# Altium PCB RFID final.PcbDoc (part 2 of 3)
Units mil, origin at the board's own origin, x right, y up, seen from the top; angles counter-clockwise.
Board outline 3215.77 x 4275.01 mil, 6 copper layers (Top Layer, RF_Ground, Power, Gnd, Routing, Bottom_Gnd), stack 29.392 mil thick; 305 components, 201 nets, 969 pads, 176 vias.
Unrouted connection lines stored in the file: 31.
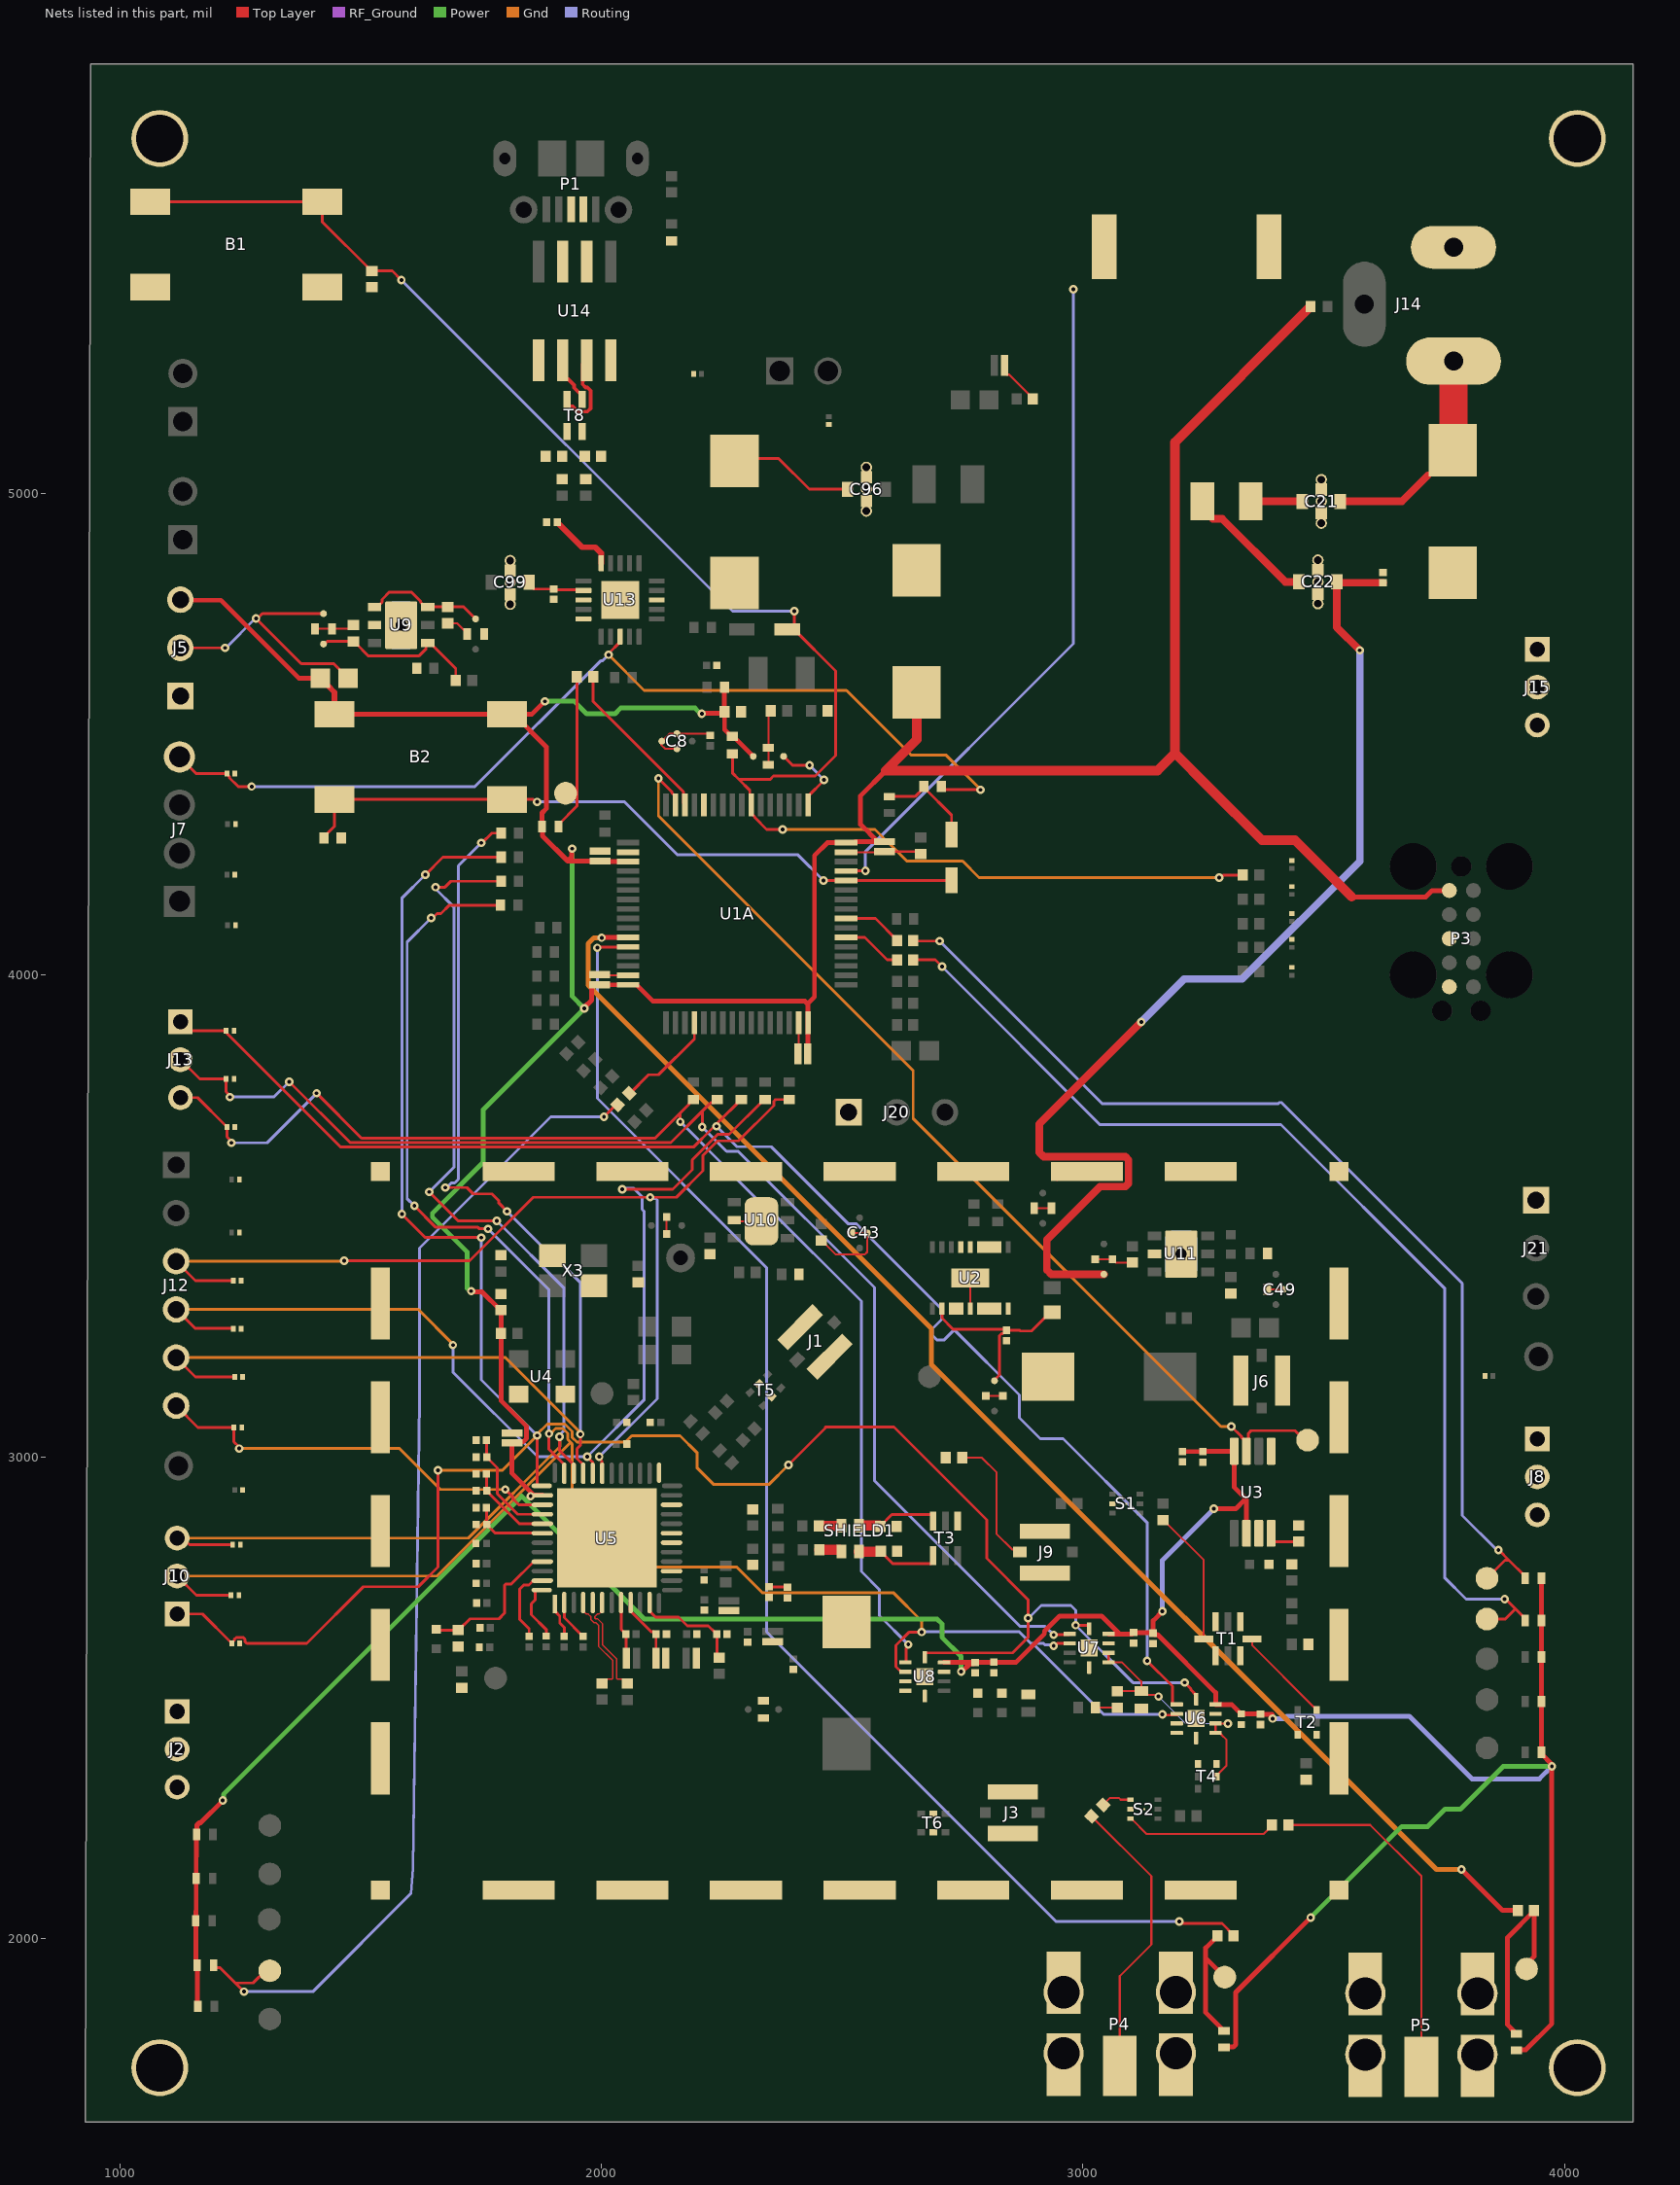
[diagram p6: the nets of this part, all layers, seen from the top]

## Part data
B1 B2: library part TL3301AF160QG, "Tactile Switch SPST-NO Top Actuated Surface Mount", Package=None, Check_prices=https://www.snapeda.com/parts/TL3301AF160QG/E-Switch/view-part/?ref=eda, Digi-Key_Part_Number=EG2526TR-ND, MF=E-Switch, MP=TL3301AF160QG, Purchase-URL=https://pricing.snapeda.com/search/part/TL3301AF160QG/?ref=eda, SnapEDA_Link=https://www.snapeda.com/parts/TL3301AF160QG/E-Switch/view-part/?ref=snap
BZ1: library part PKMCS0909E4000-R1, "Buzzers Transducer, Externally Driven Piezo 1.5V 4kHz 65dB @ 1.5V, 10cm Surface Mount Solder Pads", Package="SMD-2 Murata", Arrow_Electronics-Purchase-URL=https://snapeda.com/shop?store=Arrow+Electronics&id=4970136, Digi-Key_Part_Number=490-9647-1-ND, DigiKey-Purchase-URL=https://snapeda.com/shop?store=DigiKey&id=4970136, MF=Murata, Mouser-Purchase-URL=https://snapeda.com/shop?store=Mouser&id=4970136, MP=PKMCS0909E4000-R1, SnapEDA_Link=https://www.snapeda.com/parts/PKMCS0909E4000-R1/Murata/view-part/4970136/?ref=snap
C1 C3: library part GRM1555C1H1R2WA01D, "SMD Capacitor C0G_EIA_ with Capacitance: 1.2pF Tol. 0.05pF. Rated Voltage: 50Vdc", Package="1005 Taiyo Yuden", Availability=Unavailable, MF="Murata Electronics", MP=GRM1555C1H1R2WA01D, Price=None, SnapEDA_Link=https://www.snapeda.com/parts/GRM1555C1H1R2WA01D/Murata%20Electronics%20North%20America/view-part/1837628/?ref=snap
C2 C8 C16 C39 C41 C43 C45 C47 C49 C91 C104: library part NFM18PS474R0J3D, "Capacitor", Capacitance=470nF, Case Code (Imperial)=0603, Case Code (Metric)=1608, Current=2A, DC Resistance (DCR)=30mR, Insulation Resistance=1GR, Max Operating Temperature=125°C, Max Voltage Rating (DC)=6.3V, Min Operating Temperature=-55°C, Package Quantity=1, Tolerance=20%, Voltage=100V, Case/Package=0603, Current Rating=2A, Depth=0.8mm, Height=0.6mm, Lead Free="Lead Free", Length=1.6mm, Max Current Rating=2A, Mount="Surface Mount", Packaging="Tape and Reel", Radiation Hardening=No, REACH SVHC="No SVHC", Termination=Flat, Voltage Rating=6.3V, Voltage Rating (DC)=6.3V, Width=0.8mm
C4 C5: library part GRM1555C1H150GA01D, "0402 15 pF 50 V Â±2% Tolerance C0G SMT Multilayer Ceramic Capacitor", Package=None, Availability=Unavailable, MP=GRM1555C1H150GA01D, Price=None
C6 C7: library part GJM1555C1H5R6CB01D, "SMD Capacitor C0G(EIA) with Capacitance: 5.6pF Tol. 0.25pF. Rated Voltage: 50Vdc", Package="1005 Taiyo Yuden", Availability=Good, Check_prices=https://www.snapeda.com/parts/GJM1555C1H5R6CB01D/Murata/view-part/4376987/?ref=eda, MF=Murata, MP=GJM1555C1H5R6CB01D, Price=None, Purchase-URL=https://pricing.snapeda.com/search/part/GJM1555C1H5R6CB01D/?ref=eda, SnapEDA_Link=https://www.snapeda.com/parts/GJM1555C1H5R6CB01D/Murata/view-part/4376987/?ref=snap
C9 C10: library part GRM1555C2A4R7CA01D, "Cap Ceramic 4.7pF 100V C0G 0.25pF SMD 0402 125Â°C Paper T/R", Package=None, Availability=Unavailable, MP=GRM1555C2A4R7CA01D, Price=None
C11 C20 C92: library part ECASD41C106M060K00, "10 ÂµF 16 V Aluminum - Polymer Capacitors 2917 (7343 Metric) 60mOhm 1000 Hrs @ 105Â°C", Package="2917 Murata", Check_prices=https://www.snapeda.com/parts/ECASD41C106M060K00/Murata+Electronics+North+America/view-part/?ref=eda, MF="Murata Electronics", MP=ECASD41C106M060K00, SnapEDA_Link=https://www.snapeda.com/parts/ECASD41C106M060K00/Murata+Electronics+North+America/view-part/?ref=snap
C12 C14 C53 C57 C58 C60 C62 C64 C68 C70 C76 C95: library part GRM0335C1H121JA01D, "0201 120 pF 50 V Â±5% Tolerance C0G SMT Multilayer Ceramic Capacitor", Package="0603 Taiyo Yuden", Availability="In Stock", Check_prices=https://www.snapeda.com/parts/GRM0335C1H121JA01D/Murata%20Electronics%20North%20America/view-part/1767262/?ref=eda, MF="Murata Electronics", MP=GRM0335C1H121JA01D, Price=None, Purchase-URL=https://pricing.snapeda.com/search/part/GRM0335C1H121JA01D/?ref=eda, SnapEDA_Link=https://www.snapeda.com/parts/GRM0335C1H121JA01D/Murata%20Electronics%20North%20America/view-part/1767262/?ref=snap
C13 C15 C18 C19 C24 C26 C30 C33 C52 C59 C61 C63 C66 C71 C73 C75 C78 C84 C85 C87 C89 C90 C105: library part GRM033R60J225ME15D, "SMD Capacitor X5R(EIA) with Capacitance: 2.2uF Tol. 20%. Rated Voltage: 6.3Vdc", Package=None, Availability=Unavailable, MP=GRM033R60J225ME15D, Price=None
C17: library part GRM155R71H222KA01D, "SMD capacitor X7R(EIA) with capacitance 2200pF Tol.10%. Rated voltage 50Vdc 125C", Package="1005 Taiyo Yuden", Availability=Good, MF=Murata, MP=GRM155R71H222KA01D, Price=None, Purchase-URL=https://pricing.snapeda.com/search/part/GRM155R71H222KA01D/?ref=eda, SnapEDA_Link=https://www.snapeda.com/parts/GRM155R71H222KA01D/Murata%20Electronics%20North%20America/view-part/326477/?ref=snap
C21 C22 C96 C99: library part NFM21PC105B1A3D, "SMD Capacitor with Capacitance: 1.0uF Tol. 20%. Rated Voltage: 10Vdc", Package=NONSTANDARD, Availability=Unavailable, MF=Murata, MP=NFM21PC105B1A3D, Price=None, SnapEDA_Link=https://www.snapeda.com/parts/NFM21PC105B1A3D/Murata/view-part/4380627/?ref=snap
C23 C106: library part ECASD41C685M070K00, "6.8 µF 16 V Aluminum - Polymer Capacitors 2917 (7343 Metric) 70mOhm 1000 Hrs @ 105°C", Package="2917 Murata", Check_prices=https://www.snapeda.com/parts/ECASD41C685M070K00/Murata/view-part/?ref=eda, MF=Murata, MP=ECASD41C685M070K00, SnapEDA_Link=https://www.snapeda.com/parts/ECASD41C685M070K00/Murata/view-part/?ref=snap
C25 C50: library part GRM155R71C104KA88D, "SMD Capacitor X7R_EIA_ with Capacitance: 0.10uF Tol. 10%. Rated Voltage: 16Vdc", Package="1005 Taiyo Yuden", MF=Murata, MP=GRM155R71C104KA88D, SnapEDA_Link=https://www.snapeda.com/parts/GRM155R71C104KA88D/Murata%20Electronics%20North%20America/view-part/4750/?ref=snap
C27 C28 C29 C31 C67 C69 C77 C83 C86 C88 C98: library part LLL153C80J104ME01E, "SMD Capacitor X6S(EIA) with Capacitance: 0.10uF Tol. 20%. Rated Voltage: 6.3Vdc", Package="0510 Murata", Availability=Good, MF=Murata, MP=LLL153C80J104ME01E, Price=None, Purchase-URL=https://pricing.snapeda.com/search/part/LLL153C80J104ME01E/?ref=eda, SnapEDA_Link=https://www.snapeda.com/parts/LLL153C80J104ME01E/Murata/view-part/4376162/?ref=snap
C32 C35 C36 C54 C65 C93 C94 C107 C108 C109 C112: library part GRM1555C1H820GA01J, "CAP CER 82PF 50V C0G/NP0 0402", Package=None, Availability=Unavailable, MP=GRM1555C1H820GA01J, Price=None
C34 C72 C74: library part GRM0335C1H300GA01D, "SMD Capacitor C0G(EIA) with Capacitance: 30pF Tol. 2%. Rated Voltage: 50Vdc", Package=None, Availability=Unavailable, MP=GRM0335C1H300GA01D, Price=None
C37: library part GRM1555C1H3R6BA01D, "SMD Capacitor C0G(EIA) with Capacitance: 3.6pF Tol. 0.1pF. Rated Voltage: 50Vdc", Package="1005 Taiyo Yuden", Availability=Warning, MF="Murata Electronics", MP=GRM1555C1H3R6BA01D, Price=None, Purchase-URL=https://pricing.snapeda.com/search/part/GRM1555C1H3R6BA01D/?ref=eda, SnapEDA_Link=https://www.snapeda.com/parts/GRM1555C1H3R6BA01D/Murata%20Electronics%20North%20America/view-part/1837607/?ref=snap
C38 C40 C42 C44 C46 C48: library part GRM155R60J225ME95D, "CAPACITOR, MLCC, X5R, 2.2UF, 6.3V, 0402", Package=None, Availability=Unavailable, MP=GRM155R60J225ME95D, Price=None
C51: library part GRM155R6YA224KE01D, "CAP CER 0.22UF 35V X5R 0402", Package=None, Availability=Unavailable, MP=GRM155R6YA224KE01D, Price=None
C55: library part GRM1557U1A392JA01D, "0402 10 V 3900 pF ±5% Tolerance U2J Monolithic Ceramic Chip Capacitor", Package="1005 Taiyo Yuden", Check_prices=https://www.snapeda.com/parts/GRM1557U1A392JA01D/Murata+Electronics+North+America/view-part/?ref=eda, MF=Murata, MP=GRM1557U1A392JA01D, SnapEDA_Link=https://www.snapeda.com/parts/GRM1557U1A392JA01D/Murata+Electronics+North+America/view-part/?ref=snap
C56: library part GRM1555C1H151FA01D, "Cap Ceramic 150pF 50V C0G 1% SMD 0402 125Â°C Paper T/R", Package=None, Availability=Unavailable, MP=GRM1555C1H151FA01D, Price=None
C79 C80 C81 C82: library part GRM033R71A103KA01D, "SMD Capacitor X7R(EIA) with Capacitance: 10000pF Tol. 10%. Rated Voltage: 10Vdc", Package="0603 Taiyo Yuden", Availability=Unavailable, Check_prices=https://www.snapeda.com/parts/GRM033R71A103KA01D/Murata/view-part/4379446/?ref=eda, MF=Murata, MP=GRM033R71A103KA01D, Price=None, SnapEDA_Link=https://www.snapeda.com/parts/GRM033R71A103KA01D/Murata/view-part/4379446/?ref=snap
C97: library part GRM188R61A475KE15D, "SMD Capacitor X5R(EIA) with Capacitance: 4.7uF Tol. 10%. Rated Voltage: 10Vdc", Package="1608 Murata", Availability=Bad, MF=Murata, MP=GRM188R61A475KE15D, Price=None, SnapEDA_Link=https://www.snapeda.com/parts/GRM188R61A475KE15D/Murata%20Electronics%20North%20America/view-part/523427/?ref=snap
C100: library part GRM1555C1H4R0CA01D, "Cap Ceramic 4pF 50V C0G 0.25pF SMD 0402 125Â°C Paper T/R", Package=None, Availability=Unavailable, MP=GRM1555C1H4R0CA01D, Price=None
C101 C102: library part GRM1555C1H470FA01D, "CAP, MLCC, C0G, 47PF, 50V, 0402", Package=None, Availability=Unavailable, MP=GRM1555C1H470FA01D, Price=None
C103: library part GRM033C80J104KE15D, "SMD capacitor X6S(EIA) with capacitance 0.10uF Tol.10%. Rated voltage 6.3Vdc 105C", Package="0603 Taiyo Yuden", Availability="In Stock", Check_prices=https://www.snapeda.com/parts/GRM033C80J104KE15D/Murata+Electronics+North+America/view-part/?ref=eda, MF="Murata Electronics", MP=GRM033C80J104KE15D, Price=None, Purchase-URL=https://pricing.snapeda.com/search/part/GRM033C80J104KE15D/?ref=eda, SnapEDA_Link=https://www.snapeda.com/parts/GRM033C80J104KE15D/Murata+Electronics+North+America/view-part/?ref=snap
C110 C111: library part GJM1555C1H110GB01D, "SMD Capacitor C0G(EIA) with Capacitance: 11pF Tol. 2%. Rated Voltage: 50Vdc", Package="1005 Taiyo Yuden", Digi-Key_Part_Number=490-6072-1-ND, MF=Murata, MP=GJM1555C1H110GB01D, Purchase-URL=https://pricing.snapeda.com/search/part/GJM1555C1H110GB01D/?ref=eda, SnapEDA_Link=https://www.snapeda.com/parts/GJM1555C1H110GB01D/Murata/view-part/4385613/?ref=snap
D1 D2 D3 D4 D5 D6 D7 D8 D11 D12 D13 D16 D17: library part LNJ947W8CRA, "Blue 472nm LED Indication - Discrete 2.9V 0402 (1005 Metric)", Package="0402 Panasonic", Check_prices=https://www.snapeda.com/parts/LNJ947W8CRA/Panasonic+Electronic+Components/view-part/?ref=eda, MF="Panasonic Electronic", MP=LNJ947W8CRA, SnapEDA_Link=https://www.snapeda.com/parts/LNJ947W8CRA/Panasonic+Electronic+Components/view-part/?ref=snap
D9 D10: "Diode Schottky 10 V 3A (DC) Surface Mount SOD-323", Package="SOD-323 STMicroelectronics", Availability="In Stock", Check_prices=https://www.snapeda.com/parts/BAT60JFILM/STMicroelectronics/view-part/?ref=eda, MF=STMicroelectronics, MP=BAT60JFILM, Price=None, Purchase-URL=https://pricing.snapeda.com/search?q=BAT60JFILM&ref=eda, SnapEDA_Link=https://www.snapeda.com/parts/BAT60JFILM/STMicroelectronics/view-part/?ref=snap
D15: library part LNJ247W82RA, "Red 630nm LED Indication - Discrete 1.95V 0402 (1005 Metric)", Package="0402 Panasonic", Availability="In Stock", Check_prices=https://www.snapeda.com/parts/LNJ247W82RA/Panasonic+Electronic+Components/view-part/?ref=eda, MF="Panasonic Electronic", MP=LNJ247W82RA, Price=None, Purchase-URL=https://pricing.snapeda.com/search?q=LNJ247W82RA&ref=eda, SnapEDA_Link=https://www.snapeda.com/parts/LNJ247W82RA/Panasonic+Electronic+Components/view-part/?ref=snap
D20 D21 D22 D23 D24 D25 D26 D27 D28 D29 D30 D31 D32 D33 D34 D35 D36 D37 D38 D45 D47 D48 D49 D50 D52: library part ESDAXLC6-1BU2, "17V Clamp 1A (8/20Âµs) Ipp Tvs Diode Surface Mount ST0201", Package="0201 STMicroelectronics", Check_prices=https://www.snapeda.com/parts/ESDAXLC6-1BU2/STMicroelectronics/view-part/?ref=eda, MF=STMicroelectronics, MP=ESDAXLC6-1BU2, SnapEDA_Link=https://www.snapeda.com/parts/ESDAXLC6-1BU2/STMicroelectronics/view-part/?ref=snap
FB1: library part BLM15PX331SN1D, "330 Ohms @ 100MHz 1 Power Line Ferrite Bead 0402 (1005 Metric) 1.2A 150mOhm", Package="1005 Taiyo Yuden", Availability=Good, MF="Murata Electronics", MP=BLM15PX331SN1D, Price=None, Purchase-URL=https://pricing.snapeda.com/search/part/BLM15PX331SN1D/?ref=eda, SnapEDA_Link=https://www.snapeda.com/parts/BLM15PX331SN1D/Murata/view-part/2723257/?ref=snap
FB2 FB7: library part NFZ32BW310HN11L, "31 Ohms @ 1MHz 1 Ferrite Bead 2-SMD, Flat Lead 1.2A 186mOhm", Package="SMD-2 Murata", Availability=Warning, MF=Murata, MP=NFZ32BW310HN11L, Price=None, Purchase-URL=https://pricing.snapeda.com/search/part/NFZ32BW310HN11L/?ref=eda, SnapEDA_Link=https://www.snapeda.com/parts/NFZ32BW310HN11L/Murata/view-part/2726849/?ref=snap
FB3 FB4 FB5: library part BLM15HG102SN1D, "1 kOhms @ 100MHz 1 Signal Line Ferrite Bead 0402 _1005 Metric_ 250mA 1.1Ohm", Package="1005 Taiyo Yuden", Digi-Key_Part_Number=490-3999-1-ND, Digi-Key_Purchase_URL=https://www.digikey.com/product-detail/en/murata-electronics/BLM15HG102SN1D/490-3999-1-ND/1016259?utm_source=snapeda&utm_medium=aggregator&utm_campaign=symbol, MF=Murata, MP=BLM15HG102SN1D, SnapEDA_Link=https://www.snapeda.com/parts/BLM15HG102SN1D/Murata/view-part/270056/?ref=snap
J1 J3 J6 J9: library part MS-156HF(01), "Coaxial Switch - 4mm Plug Dia Connector Receptacle, Female Socket 50Ohm Surface Mount Solder", Package=None, Availability=Unavailable, MF="Hirose Electric", MP=MS-156HF(01), Price=None, SnapEDA_Link=https://www.snapeda.com/parts/MS-156HF(01)/Hirose%20Electric%20Co%20Ltd/view-part/1243878/?ref=snap
J2 J8 J10 J13 J15: library part CMP-05379-000003-1, "CONN HEADER VERT 3POS 2MM", Current Rating=2A, Manufacturer=3M, Temperature="-55°C to +125°C", Temperature Range High=+125°C, Temperature Range Low=-55°C, Automotive=No, Category=Conn, ComponentLink2Description=Datasheet, ComponentLink2URL=http://multimedia.3m.com/mws/media/1400506O/3m-pin-strip-header-951-series-78-5100-2653-3.pdf, Conn Gender=Male, Conn Orientation=Straight, Contact Material=Gold,Nickel, Device Class L1=Connectors, Device Class L2="Headers and Wire Housings", Device Class L3=unset, Digikey Description="CONN HEADER VERT 3POS 2MM", Height=6.3mm, Lead Free=Yes, Manufacturer Part Number=951103-8622-AR, Mouser Description="Header; PinStrip; CopperAlloy; HighTempThermoplastic; 3Cnts; 1A; RtAngle; 951Series", Number Of Contacts=3, Number Of Rows=1, Octopart=https://octopart.com/951103-8622-ar-3m-14400669, Package=951103-8622-AR, Pitch=2mm, RoHS=TRUE
J4 J11: "Connector Header Through Hole 1 position", Package=None, Availability="In Stock", Check_prices=https://www.snapeda.com/parts/MTSW-101-22-T-S-400/Samtec/view-part/?ref=eda, MF=Samtec, MP=MTSW-101-22-T-S-400, Price=None, Purchase-URL=https://pricing.snapeda.com/search/part/MTSW-101-22-T-S-400/?ref=eda, SnapEDA_Link=https://www.snapeda.com/parts/MTSW-101-22-T-S-400/Samtec/view-part/?ref=snap
J5 J20 J21: "Header; Conn; Interconnect System; PCB Plug; 3 Cont; Thru-Hole; Breakaway; Straight; 3A", Package=None, Availability=Unavailable, Centerline_Pitch="2.54 mm[.1 in]", MF="TE Connectivity", MP=5-146280-3, Number_of_Positions=3, Price=None, Product_Type=Connector, SnapEDA_Link=https://www.snapeda.com/parts/5-146280-3/TE%20Connectivity%20AMP%20Connectors/view-part/2778485/?ref=snap, TE_purchase_URL=https://www.te.com/usa-en/product-5-146280-3.html?te_bu=Cor&te_type=disp&te_campaign=seda_glo_cor-seda-global-disp-prtnr-fy19-seda-model-bom-cta_sma-317_1&elqCampaignId=32493
J7: "Headers & Wire Housings 10129378-904005BLF-HEADER SR VT TH 1*4", Package=None, Availability="In Stock", Check_prices=https://www.snapeda.com/parts/10129378-904005BLF/Amphenol/view-part/?ref=eda, MF=Amphenol, MP=10129378-904005BLF, Price=None, Purchase-URL=https://pricing.snapeda.com/search/part/10129378-904005BLF/?ref=eda, SnapEDA_Link=https://www.snapeda.com/parts/10129378-904005BLF/Amphenol/view-part/?ref=snap
J12: Package=None, Availability=Unavailable, MP=2267062-6, Price=None
J14: "2.0 x 6.5 mm, 2.5 A, Horizontal, Through Hole, Dc Power Jack Connector", Package=None, Availability="In Stock", Check_prices=https://www.snapeda.com/parts/PJ-002A/CUI+Devices/view-part/?ref=eda, CUI_purchase_URL=https://www.cuidevices.com/product/interconnect/connectors/dc-power-connectors/jacks/pj-002a?utm_source=snapeda.com&utm_medium=referral&utm_campaign=snapedaBOM, MF="CUI Devices", MP=PJ-002A, Price=None, Purchase-URL=https://pricing.snapeda.com/search/part/PJ-002A/?ref=eda, SnapEDA_Link=https://www.snapeda.com/parts/PJ-002A/CUI+Devices/view-part/?ref=snap
J30 J31: "Header; Breakaway; 0.100 in.; PC Board; Single; 2; 0.025 in.; 0.12 in.; 3 A", Package=None, Availability=Unavailable, Centerline_Pitch="2.54 mm[.1 in]", EU_RoHS_Compliance=Compliant, MF="TE Connectivity", MP=5-146281-2, Number_of_Positions=2, Price=None, Product_Type=Connector, SnapEDA_Link=https://www.snapeda.com/parts/5-146281-2/TE%20Connectivity%20AMP%20Connectors/view-part/457165/?ref=snap
L1 L2 L3 L4: library part LQW15AN30NG00D, "Inductor with Inductance: 30nH Tol. +/-2%, Package: 0402 (1005)", Package="1005 Murata", Digi-Key_Part_Number=490-6802-1-ND, DigiKey-Purchase-URL=https://snapeda.com/shop?store=DigiKey&id=1502539, MF=Murata, MP=LQW15AN30NG00D, SnapEDA_Link=https://www.snapeda.com/parts/LQW15AN30NG00D/Murata%20Electronics%20North%20America/view-part/1502539/?ref=snap
L10 L15: library part LQW15AN3N6C10D, "FIXED IND 3.6NH 900MA 40 MOHM", Package=None, Availability=Unavailable, MP=LQW15AN3N6C10D, Price=None
L11: library part LQW15AN6N8G00D, "Inductor with Inductance: 6.8nH Tol. +/-2%, Package: 0402 (1005)", Package="1006 Murata", Arrow_Electronics-Purchase-URL=https://snapeda.com/shop?store=Arrow+Electronics&id=555756, Availability=Good, DigiKey-Purchase-URL=https://snapeda.com/shop?store=DigiKey&id=555756, MF=Murata, Mouser-Purchase-URL=https://snapeda.com/shop?store=Mouser&id=555756, MP=LQW15AN6N8G00D, Price=None, SnapEDA_Link=https://www.snapeda.com/parts/LQW15AN6N8G00D/Murata%20Electronics%20North%20America/view-part/555756/?ref=snap
L12: library part LQW15AN5N6C10D, "Ind RF Chip Wirewound 5.6nH 0.2nH 100MHz 30Q-Factor 800mA 0402 Paper T/R", Package=None, Availability=Unavailable, MP=LQW15AN5N6C10D, Price=None
P1: library part 1050170001, "USB - micro B USB 2.0 Receptacle Connector 5 Position Surface Mount, Right Angle; Through Hole", Package=None, Check_prices=https://www.snapeda.com/parts/1050170001/Molex/view-part/?ref=eda, MF=Molex, MP=1050170001, SnapEDA_Link=https://www.snapeda.com/parts/1050170001/Molex/view-part/?ref=snap
P2: "2.54mm Pitch SL Header, Single Row, Right-Angle, LCP, Shrouded, Through Hole, Matte Tin (Sn) Plating, 2 Circuits", Package=None, Availability=Unavailable, MP=1719740002, Price=None
P3: library part 8.06.04_J-LINK_NEEDLE_ADAPTER, "J-LINK 10-PIN NEEDLE ADAPTER", Package=None, Availability="No availability data", Check_prices=https://www.snapeda.com/parts/8.06.04%20J-LINK%20NEEDLE%20ADAPTER/Segger%20Microcontroller%20Systems/view-part/2780259/?ref=eda, MF="Segger Microcontroller", MP="8.06.04 J-LINK NEEDLE ADAPTER", Price=None, SnapEDA_Link=https://www.snapeda.com/parts/8.06.04%20J-LINK%20NEEDLE%20ADAPTER/Segger%20Microcontroller%20Systems/view-part/2780259/?ref=snap
P4 P5: "SMB Connector Jack, Male Pin 50Ohm Board Edge, End Launch Solder", Package=None, Availability=Unavailable, MP=903-723J-51S, Price=None
R1 R2 R3 R54 R55: library part RC0603JR-070RL, "Thick film general purpose", Package=None, Availability=Unavailable, MP=RC0603JR-070RL, Price=None
R4 R5 R14 R15 R17 R18 R19 R42 R46 R50 R51 R52 R53 R64 R65 R66 R81 R82 R83: library part RC0402JR-07220RL, "220 Ohms ±5% 0.063W, 1/16W Chip Resistor 0402 (1005 Metric) Moisture Resistant Thick Film", Package="1005 Panasonic Electronic Components", Check_prices=https://www.snapeda.com/parts/RC0402JR-07220RL/Yageo/view-part/?ref=eda, MF=Yageo, MP=RC0402JR-07220RL, SnapEDA_Link=https://www.snapeda.com/parts/RC0402JR-07220RL/Yageo/view-part/?ref=snap
R6 R7 R8 R9 R10 R11 R12 R13 R20 R34 R36 R37 R38 R39 R40 R43 R56 R57 R58 R89 R90 R91 R92 R93: library part RC0402JR-070RL, Package=None, Availability=Unavailable, MF="{'manufacturer': u'YAGEO'}", MP=RC0402JR-070RL, Price=None
R16 R27 R29 R31 R61: library part RC0402FR-0710KL, "10 kOhms Â±1% 0.063W, 1/16W Chip Resistor 0402 (1005 Metric) Moisture Resistant Thick Film", Package="0402 Yageo", Availability="In Stock", Check_prices=https://www.snapeda.com/parts/RC0402FR-0710KL/Yageo/view-part/?ref=eda, MF=Yageo, MP=RC0402FR-0710KL, Price=None, Purchase-URL=https://pricing.snapeda.com/search?q=RC0402FR-0710KL&ref=eda, SnapEDA_Link=https://www.snapeda.com/parts/RC0402FR-0710KL/Yageo/view-part/?ref=snap
R21: library part RC0402FR-07100RL, "100 Ohms Â±1% 0.063W, 1/16W Chip Resistor 0402 (1005 Metric) Moisture Resistant Thick Film", Package="0402 Yageo", Availability="In Stock", Check_prices=https://www.snapeda.com/parts/RC0402FR-07100RL/Yageo/view-part/?ref=eda, MF=Yageo, MP=RC0402FR-07100RL, Price=None, Purchase-URL=https://pricing.snapeda.com/search/part/RC0402FR-07100RL/?ref=eda, SnapEDA_Link=https://www.snapeda.com/parts/RC0402FR-07100RL/Yageo/view-part/?ref=snap
R22: library part RC0402FR-0751R1L, "Res Thick Film 0402 51.1 Ohm 1% 1/16W ?100ppm/C Molded SMD SMD Paper T/R", Package=None, Availability=Unavailable, MF="{'manufacturer': u'YAGEO'}", MP=RC0402FR-0751R1L, Price=None
R23: library part ERJ2RKF52R3X, Package=None, Availability=Unavailable, MP=ERJ2RKF52R3X, Price=None
R24: library part RC0402FR-07249RL, "Res Thick Film 0402 249 Ohm 1% 1/16W ?100ppm/C Molded SMD SMD Paper T/R", Package=None, Availability=Unavailable, MP=RC0402FR-07249RL, Price=None
R25 R45: library part RC0402FR-0762RL, "RESISTOR, 0402 0.063W 1% 62R; Resistance:62ohm; Resistance Tolerance:Â± 1%; Power Rating:63mW; Voltage Rating:50V; Temperature Coefficient:Â± 100ppm/Â°C; Resistor Element Material:Thick Film; Resistor Case Style:0402; Resistor Mounting:SMD; SVHC:No SVHC (19-Dec-2011); External Depth:0.35mm; External Length / Height:1mm; External Width:0.5mm; No. of Pins:2; Operating Temperature Range:-55Â°C to +155Â°C; Overload Voltage:100V; Package / Case:0402; Series:RC32H; Temperature Coeff. +:100ppm/Â°C; Temperature Coeff. -:100ppm/Â°C", Package=None, Availability=Unavailable, MP=RC0402FR-0762RL, Price=None
R26 R35: library part ERJ2RKF75R0X, Package=None, Availability=Unavailable, MP=ERJ2RKF75R0X, Price=None
R28: library part RC0402FR-0735K7L, "RES SMD 35.7K OHM 1% 1/16W 0402", Package=None, Availability=Unavailable, MP=RC0402FR-0735K7L, Price=None
R30: library part ERJ2RKF4222X, Package=None, Availability=Unavailable, MP=ERJ2RKF4222X, Price=None
R32: library part RCG0402100KFKED, "Res Thick Film 0402 100K Ohm 1% 1/16W Â±100ppm/Â°C Molded SMD", Package=None, Availability=Unavailable, MP=RCG0402100KFKED, Price=None
R33: library part ERJ-2GEJ153X, "15 kOhms ±5% 0.1W, 1/10W Chip Resistor 0402 (1005 Metric) Automotive AEC-Q200 Thick Film", Package="1020-2 Panasonic", Check_prices=https://www.snapeda.com/parts/ERJ-2GEJ153X/Panasonic+Electronic+Components/view-part/?ref=eda, MF="Panasonic Electronic", MP=ERJ-2GEJ153X, SnapEDA_Link=https://www.snapeda.com/parts/ERJ-2GEJ153X/Panasonic+Electronic+Components/view-part/?ref=snap
R41 R47: library part RC0402FR-0727RL, "Surface Mount Thick Film Resistor, RC Series, 27 ohm, 63 mW, - 1%, 50 V, 0402 [1005 Metric]", Package="1005 Panasonic Electronic Components", Digi-Key_Part_Number=YAG3086CT-ND, Digi-Key_Purchase_URL=https://www.digikey.com/product-detail/en/yageo/RC0402FR-0727RL/YAG3086CT-ND/5281951?utm_source=snapeda&utm_medium=aggregator&utm_campaign=symbol, MF=Yageo, MP=RC0402FR-0727RL, SnapEDA_Link=https://www.snapeda.com/parts/RC0402FR-0727RL/Yageo/view-part/938293/?ref=snap
R44: library part RC0402FR-0731K6L, "Thick film general purpose", Package=None, Availability=Unavailable, MP=RC0402FR-0731K6L, Price=None
R86: library part RC0402JR-0720RL, "20 Ohms ±5% 0.063W, 1/16W Chip Resistor 0402 (1005 Metric) Moisture Resistant Thick Film", Package="1005 Panasonic Electronic Components", Check_prices=https://www.snapeda.com/parts/RC0402JR-0720RL/Yageo/view-part/?ref=eda, MF=Yageo, MP=RC0402JR-0720RL, SnapEDA_Link=https://www.snapeda.com/parts/RC0402JR-0720RL/Yageo/view-part/?ref=snap
S1: "RF Switch IC WiMax, WLAN SPDT 6GHz 50Ohm 6-DFN (1.5x1.5)", Package="XFDFN-6 Skyworks Solutions", Availability=Warning, MF="Skyworks Solutions", MP=SKY13431-374LF, Price=None, Purchase-URL=https://pricing.snapeda.com/search/part/SKY13431-374LF/?ref=eda, SnapEDA_Link=https://www.snapeda.com/parts/SKY13431-374LF/Skyworks%20Solutions%20Inc./view-part/1233094/?ref=snap
S2: library part SKY13431-374LF, "RF Switch IC WiMax, WLAN SPDT 6GHz 50Ohm 6-DFN (1.5x1.5)", Package="XFDFN-6 Skyworks Solutions", Availability=Warning, MF="Skyworks Solutions", MP=SKY13431-374LF, Price=None, Purchase-URL=https://pricing.snapeda.com/search/part/SKY13431-374LF/?ref=eda, SnapEDA_Link=https://www.snapeda.com/parts/SKY13431-374LF/Skyworks%20Solutions%20Inc./view-part/1233094/?ref=snap
SHIELD1: "EMI Filters; Board Level Shielding (BLS); STD SHIELD FRAME; CRS-50.80X38.10X5.08MM", Package=None, Availability=Warning, DigiKey-Purchase-URL=https://snapeda.com/shop?store=DigiKey&id=1493072, MF="TE Connectivity", Mouser-Purchase-URL=https://snapeda.com/shop?store=Mouser&id=1493072, MP=2118732-2, Price=None, SnapEDA_Link=https://www.snapeda.com/parts/2118732-2/TE%20Connectivity%20AMP%20Connectors/view-part/1493072/?ref=snap
T1: library part 0900LP15B0063E, "911.5MHz Frequency Low Pass RF Filter (Radio Frequency) 97MHz Bandwidth 0.9dB 0805 (2012 Metric), 8 PC Pad", Package="0805 Johanson", Availability=Bad, MF="Johanson Technology", MP=0900LP15B0063E, Price=None, SnapEDA_Link=https://www.snapeda.com/parts/0900LP15B0063E/Johanson%20Technology%20Inc./view-part/2720562/?ref=snap
T2: library part DC1722J5020AHF, "RF Directional Coupler General Purpose 1.7GHz ~ 2.2GHz 19.9dB 2W 0805 (2012 Metric)", Package="0805 Anaren Microwave", Availability=Unavailable, MF=Anaren, MP=DC1722J5020AHF, Price=None, SnapEDA_Link=https://www.snapeda.com/parts/DC1722J5020AHF/Anaren/view-part/480148/?ref=snap
T3: library part 0900BL15C050E, "Filter", Manufacturer_Name="JOHANSON TECHNOLOGY", Mouser Part Number=609-0900BL15C050E, Arrow Part Number=0900BL15C050E, Arrow Price/Stock=https://www.arrow.com/en/products/0900bl15c050e/johanson-dielectrics?region=europe, Datasheet Link=https://www.johansontechnology.com/datasheets/0900BL15C050/0900BL15C050.pdf, Height=0.8mm, Manufacturer_Part_Number=0900BL15C050E, Mouser Price/Stock=https://www.mouser.co.uk/ProductDetail/Johanson-Technology/0900BL15C050E?qs=yCnrNFeXz%252BjgDEe7ZYwcVg%3D%3D
T4: library part DC0710J5010AHF, "RF Directional Coupler General Purpose 700MHz ~ 1GHz 10.9dB 2W 0805 (2012 Metric)", Package="0805 Anaren Microwave", Availability=Good, DigiKey-Purchase-URL=https://snapeda.com/shop?store=DigiKey&id=480146, MF=Anaren, Mouser-Purchase-URL=https://snapeda.com/shop?store=Mouser&id=480146, MP=DC0710J5010AHF, Price=None, SnapEDA_Link=https://www.snapeda.com/parts/DC0710J5010AHF/Anaren/view-part/480146/?ref=snap
T5 T6: "Signal Conditioning 800-1000MHz 50/100 Ohm IL=.95dB", Package=None, Check_prices=https://www.snapeda.com/parts/BD0810J50100AHF/LM+Technologies/view-part/?ref=eda, MF="ttm technologies", MP=BD0810J50100AHF, SnapEDA_Link=https://www.snapeda.com/parts/BD0810J50100AHF/LM+Technologies/view-part/?ref=snap
T8: library part CMP-0222-00046-2, Ambient Temperature Range High=85°C, Ambient Temperature Range Low=-40°C, Case/Package=0805, Current=370mA, DC Resistance (DCR)=300mΩ, Frequency=100MHz, Inductance=131nH, Max Operating Temperature=125°C, Tolerance=25%, Voltage Rating=50V, Core Material=Ferrite, Current Rating=370mA, Depth=1.2mm, Height=1.2mm, Impedance=90Ω, Lead Free="Lead Free", Length=2mm, Max Current Rating=370mA, Max DC Current=370mA, Min Operating Temperature=-40°C, Mount="Surface Mount", NexarPartId=22803305, Number of Lines=2, Number of Pins=4, Packaging=Digi-Reel®, REACH SVHC="No SVHC", Resistance=300mΩ, RoHS=Compliant, Termination=SMD/SMT, Test Frequency=100MHz, Voltage Rating (AC)=50V, Voltage Rating (DC)=50V, Weight=11.991848mg, Width=1.2mm
U1A: "ARMÂ® CortexÂ®-M4 STM32L4 Microcontroller IC 32-Bit Single-Core 80MHz 1MB (1M x 8) FLASH 64-LQFP (10x10)", Package="LQFP-64 STMicroelectronics", Availability="In Stock", Check_prices=https://www.snapeda.com/parts/STM32L476RGT6/STMicroelectronics/view-part/?ref=eda, MF=STMicroelectronics, MP=STM32L476RGT6, Price=None, Purchase-URL=https://pricing.snapeda.com/search?q=STM32L476RGT6&ref=eda, SnapEDA_Link=https://www.snapeda.com/parts/STM32L476RGT6/STMicroelectronics/view-part/?ref=snap
U2: "RF Amplifier 699-960MHz PAE 31% Gain 35.5dB", Package=None, Availability=Warning, MF=Qorvo, MP=TQP9107, Price=None, Purchase-URL=https://pricing.snapeda.com/search/part/TQP9107/?ref=eda, SnapEDA_Link=https://www.snapeda.com/parts/TQP9107/Qorvo/view-part/1064589/?ref=snap
U3: library part MAX4003EUA+T, "100MHz to 2500MHz, 45dB RF Detector in a UCSP", Package="MICRO MAX-8 Maxim", Check_prices=https://www.snapeda.com/parts/MAX4003EUA+T/Analog+Devices/view-part/?ref=eda, MF="Analog Devices", MP=MAX4003EUA+T, SnapEDA_Link=https://www.snapeda.com/parts/MAX4003EUA+T/Analog+Devices/view-part/?ref=snap
U4: library part TXETDCSANF-20.000000, "20MHz TCXO Clipped Sine Wave Oscillator 2.8V ~ 3.3V 4-SMD, No Lead", Package="SMD-4 Taitien", Availability=Warning, MF=Taitien, MP=TXETDCSANF-20.000000, Price=None, Purchase-URL=https://pricing.snapeda.com/search/part/TXETDCSANF-20.000000/?ref=eda, SnapEDA_Link=https://www.snapeda.com/parts/TXETDCSANF-20.000000/Taitien/view-part/3601305/?ref=snap
U5: "Integrated Circuit", Manufacturer_Name=STMicroelectronics, Mouser Part Number=511-ST25RU3993-BQFT, Arrow Part Number=ST25RU3993-BQFT, Arrow Price/Stock=https://www.arrow.com/en/products/st25ru3993-bqft/stmicroelectronics?region=nac, Datasheet Link=https://www.st.com/resource/en/datasheet/st25ru3993.pdf, Height=1mm, Manufacturer_Part_Number=ST25RU3993-BQFT, Mouser Price/Stock=https://www.mouser.co.uk/ProductDetail/STMicroelectronics/ST25RU3993-BQFT?qs=VBQ3p0kw5tgG4N%252BXfjyUgw%3D%3D
U6 U7 U8: "Murata Digitally Tunable Capacitor (100-3000 MHz) 0.9-4.6pF, SPI Interface", Package=None, Availability=Bad, MF=pSemi, MP=PE64906MLAA-Z, Price=None, SnapEDA_Link=https://www.snapeda.com/parts/PE64906MLAA-Z/pSemi/view-part/4991719/?ref=snap
U9 U10 U11: "Ð›Ð¸Ð½ÐµÐ¹Ð½Ñ‹Ð¹ Ñ€ÐµÐ³ÑƒÐ»ÑÑ‚Ð¾Ñ€ Ð½Ð°Ð¿Ñ€ÑÐ¶ÐµÐ½Ð¸Ñ IC Ñ Ð¿Ð¾Ð»Ð¾Ð¶Ð¸Ñ‚ÐµÐ»ÑŒÐ½Ñ‹Ð¼ Ñ€ÐµÐ³ÑƒÐ»Ð¸Ñ€Ð¾Ð²Ð°Ð½Ð¸ÐµÐ¼ 1 Ð²Ñ‹Ñ…Ð¾Ð´ 1A 6-DFN (3x3)", Package="DFN-6 STMicroelectronics", Check_prices=https://www.snapeda.com/parts/LD39100PUR/STMicroelectronics/view-part/?ref=eda, MF=STMicroelectronics, MP=LD39100PUR, SnapEDA_Link=https://www.snapeda.com/parts/LD39100PUR/STMicroelectronics/view-part/?ref=snap
U13: "USB2.0 Full Speed IC offers a compact bridge to full handshake UART Interface", Package=None, Availability=Unavailable, MP=FT231XQ-R, Price=None
U14: "- Clamp - Ipp Tvs Diode Surface Mount 8-SOIC", Package="SOIC-8 STMicroelectronics", Check_prices=https://www.snapeda.com/parts/USB6B1RL/STMicroelectronics/view-part/?ref=eda, MF=STMicroelectronics, MP=USB6B1RL, SnapEDA_Link=https://www.snapeda.com/parts/USB6B1RL/STMicroelectronics/view-part/?ref=snap
X1: "32.768 kHz Â±20ppm Crystal 6pF 70 kOhms 2-SMD, No Lead", Package="SMD-2 NDK", Check_prices=https://www.snapeda.com/parts/NX3215SA-32.768K-STD-MUA-14/NDK+America%252C+Inc./view-part/?ref=eda, MF="NDK America,", MP=NX3215SA-32.768K-STD-MUA-14, SnapEDA_Link=https://www.snapeda.com/parts/NX3215SA-32.768K-STD-MUA-14/NDK+America%252C+Inc./view-part/?ref=snap
X3: library part NX3225SA-20.000000MHZ-B2, "Crystal or Oscillator", Manufacturer_Name=NDK, Mouser Part Number=344-NX3225SA20MHZB2, Datasheet Link=https://media.digikey.com/pdf/Data%20Sheets/NDK%20PDFs/NX3225SA-20.000000MHz-B2.pdf, Height=0.7mm, Manufacturer_Part_Number=NX3225SA-20.000000MHZ-B2, Mouser Price/Stock=https://www.mouser.co.uk/ProductDetail/NDK/NX3225SA-20.000000MHZ-B2?qs=w%2Fv1CP2dgqr91JjcOyduEA%3D%3D

## Free pads (board coordinates)
  rect 15.75x23.62 smd: 2(1720.47,4708.66) 2(1755.91,4708.66) 2(2898.78,3516.18) 4(2934.21,3516.18) 9(3382.87,3347.44) 18(1404.53,4719.49) 19(1439.96,4719.49)
  rect 23.62x15.75 smd: 2(2336,2457.54) 2(2336,2492.97) 2(2346.46,4472.44) 4(2346.46,4437.01)
  rect 15.75x15.75 all layers, no hole: 6(2518.31,3464.84)
  rect 15.75x15.75 smd: 11(2798.31,3126.34) 12(2833.74,3126.34) 13(2135,3462.54) 15(2135,3497.97) 16(3025.59,3410.43) 17(3061.02,3410.43)
  round 60 hole 30: 14(2164,3413)
  rrect50% 70x100 smd: E.P.(2332,3489)
  round 118.11 hole 98.43: MH1(4027,5738) MH2(1082,5738) MH3(1082,1731) MH4(4027,1731)

## Via types
v1: diameter 17.72, hole 7.87, Top Layer to Bottom_Gnd, 176 vias

## Nets (pads, with @x,y where several pads share a name; then routed paths per layer and width w, separated by ;. In a path a pad name is that pad's centre, name@x,y a point inside that pad or via, vN(x,y) a via of type N, cw(c..) or ccw(c..) an arc to the next point about the centre after c; other vN are vias at no path point)
3V3: B2.3 B2.4 C2.1 C11.1 C15.2 C18.2 C19.2 C27.2 C28.2 C29.2 C31.2 C50.2 C53.2 C68.2 C69.2 C70.2 C87.2 C95.2 D1.A D2.A D3.A D4.A D5.A D6.A D7.A D8.A D11.A D12.A D13.A D16.A D17.A FB3.1 FB4.1 J5.3 P3.1 R1.2 R6.2 R32.2 R61.2 U1A.19 U1A.32 U1A.48 U1A.64 U3.2 U3.8 U5.38 U6.4 U7.4 U8.4 | length 14138
  Top Layer w9.84: 3260.63,4389.81 3262.19,4389.81
  Top Layer w10: J5.3@1125,4780 1126,4779 1209,4779 1370.87,4617.13 R1.2@1415.55,4617.13 ; D6.A@1161.03,1858.27 1160.34,1858.95 1160.34,1943.21 D13.A@1159.66,1943.9 1157.45,1946.1 1157.45,2055.69 1157.69,2055.92 D8.A@1157.69,2124.02 1157.69,2169.02 1158.46,2169.8 D7.A@1158.46,2215.55 1159.21,2216.3 1159.21,2234.82 1164.19,2239.8 1166.8,2239.8 v1(1213,2286) ; B2.3@1444.88,4542.32 B2.4@1803.15,4542.32 B2.4@1816.93,4542.32 ; v1(1729,3344) 1730.48,3342.52 1751.65,3342.52 1789.84,3304.33 C50.2@1791.02,3304.33 FB4.1@1791.02,3256.34 1791.02,3116.48 1844.15,3063.35 1844.15,3038.35 1836.93,3031.13 1816.48,3031.13 C69.2@1814,3028.65 1814,2965.58 U5.38@1859.66,2919.92 ; v1(1852.43,2918) 1854.52,2918 1856.15,2919.63 1859.37,2919.63 U5.38@1859.66,2919.92 ; U5.38@1876.76,2919.92 U5.38@1859.66,2919.92 ; v1(1882,4569) 1855.32,4542.32 B2.4@1816.93,4542.32 ; v1(1939,4263) 1937.52,4261.52 1937.52,4245.13 1929.56,4237.17 ; v1(1964,3931) 1964,3933.09 1979.35,3948.43 1979.35,3977.81 1981.83,3980.29 C28.2@1996,3980.29 1996.09,3980.2 2072.51,3980.2 2106.72,3946 2422.13,3946 2427.99,3940.14 ; U1A.19@2054.88,4236.02 2054.31,4236.59 1997.62,4236.59 C27.2@1997.05,4237.17 1929.56,4237.17 ; v1(2208,4543) 2209.48,4544.48 2252.59,4544.48 FB3.1@2255.35,4547.24 ; R6.2@2254.92,4598.43 2255.14,4598.21 2255.14,4547.46 FB3.1@2255.35,4547.24 ; C2.1@2314.96,4454.72 2314.96,4454.92 2273.82,4496.06 R61.2@2271.65,4496.06 2269.49,4496.06 2255.35,4510.2 FB3.1@2255.35,4547.24 ; C29.2@2428.35,3836.97 2428.62,3837.24 2428.62,3901.1 U1A.48@2428.9,3901.38 2428.9,3941.9 2442.14,3955.14 2442.14,4248.52 2469.02,4275.39 U1A.64@2507.64,4275.39 2525.35,4275.39 2527.64,4277.68 C31.2@2573.46,4277.68 ; C31.2@2587.64,4277.68 C31.2@2573.46,4277.68 ; 2590,4425 2538,4373 2538,4313.14 C31.2@2573.46,4277.68 ; U8.4@2711.61,2572.83 2711.73,2572.72 2775.51,2572.72 C18.2@2775.63,2572.6 ; v1(2747,2554) 2748.9,2554 2764.82,2569.92 2772.95,2569.92 C18.2@2775.63,2572.6 ; U7.4@3053.15,2631.89 3075.98,2631.89 ; v1(3165,2679) 3145.67,2659.67 C87.2@3145.67,2633.62 ; C15.2@3206.69,3010.59 3206.81,3010.71 3248.9,3010.71 C70.2@3249.02,3010.83 3313.39,3010.83 U3.8@3313.98,3011.42 3313.98,2936.85 3339.31,2911.51 ; v1(3272,2892) 3317.44,2892 3336.96,2911.51 3339.31,2911.51 ; D16.A@3292.95,1773.36 3293.7,1774.11 3312.23,1774.11 3317.2,1779.09 3317.2,1887.2 v1(3473,2043) ; U3.2@3339.31,2841.2 3339.31,2911.51 ; 3392.69,2465.22 3392.69,2457.64 v1(3394.17,2456.17) ; 3392.68,2465.24 C19.2@3368.9,2465.24 3368.54,2465.59 3328.86,2465.59 3308.92,2485.53 U6.4@3275.35,2485.53 3275.35,2510.09 3154.5,2630.94 3148.35,2630.94 C87.2@3145.67,2633.62 ; 3558.09,4162.91 3712.13,4162.91 3725.23,4176 P3.1@3761,4176 ; D17.A@3900.59,1767.33 3901.34,1768.08 3919.86,1768.08 3974,1822.22 v1(3974,2357) 3972.52,2358.48 3972.52,2362.46 3952.6,2382.39 D3.A@3952.6,2386.34 D11.A@3952.6,2491.65 D5.A@3952.6,2584.17 D2.A@3952.6,2659.96 D4.A@3952.6,2747.56 ; B2.4@1816.93,4542.32 1884.86,4474.39 1884.86,4345.8 1876.19,4337.13 D1.A@1876.19,4309.06 1876.94,4308.31 1876.94,4289.78 1929.56,4237.17 ; C18.2@2775.63,2572.6 2775.98,2572.95 2814.61,2572.95 C53.2@2814.96,2573.31 2860.98,2573.31 2919.86,2632.19 2919.86,2637.53 2951.26,2668.93 3038.94,2668.93 3075.98,2631.89 ; 3075.98,2631.89 3101.97,2631.89 3104.92,2634.84 C95.2@3105.31,2634.84 3105.93,2634.23 3145.06,2634.23 C87.2@3145.67,2633.62
  Top Layer w11.81: R1.2@1415.55,4617.13 1415.94,4617.13 1430.12,4602.95 1430.12,4602.56 1444.88,4587.8 B2.3@1444.88,4542.32
  Top Layer w19.68: C11.1@2654.53,4587.6 2654.53,4489.53 2590,4425 3155,4425 3191,4461 ; R32.2@3473,5389 3473,5387.23 3472.8,5387.03 3471.03,5387.03 3191,5107 3191,4461 ; 3558.09,4162.91 3440.59,4280.41 3371.59,4280.41 3262.19,4389.81 3191,4461
  Power w10: v1(1213,2286) 1214.48,2287.48 1214.48,2298.48 1834,2918 1843.22,2908.78 ; v1(1729,3344) 1726.91,3344 1721.05,3349.86 1721,3349.86 1721,3425 1648.44,3497.56 1648.44,3505.85 1754,3611.41 1754,3721 v1(1964,3931) 1939,3956 v1(1939,4263) ; v1(1852.43,2918) 1843.22,2908.78 ; v1(1882,4569) 1943.02,4569 1968.88,4543.14 2027.81,4543.14 2039.53,4554.86 2194.05,4554.86 2205.91,4543 v1(2208,4543) ; v1(2747,2554) 2747,2585 2707,2625 2707,2653 2697,2663 2089,2663 1843.22,2908.78 ; v1(3473,2043) 3662,2232 3716,2232 3752,2268 3784,2268 3873,2357 v1(3974,2357)
  Routing w10: v1(3165,2679) 3165,2785 v1(3272,2892) ; v1(3394.17,2456.17) 3418.19,2456.17 3423.02,2461 3678,2461 3808,2331 3948,2331 v1(3974,2357)
3V3OUT: C103.2 U13.10 | length 152.3
  Top Layer w5.91: C103.2@1907.95,4940.55 C103.2@1907.95,4940.94 ; U13.10@1996.65,4867.96 1999.02,4865.6 U13.10@1999.02,4855.71
  Top Layer w11.81: C103.2@1907.95,4940.55 1959.5,4889 1987,4889 1999.02,4876.98 U13.10@1999.02,4855.71
6V: C22.3 C24.2 C47.1 | length 2291.1
  Top Layer w5.91: C22.3@3527.37,4817 C22.3@3529.17,4815.2
  Top Layer w15.75: C47.1@3043.31,3378.94 2934.22,3378.94 2925,3388.16 2925,3450.43 3035.51,3560.94 3088.02,3560.94 3094.68,3567.6 3094.68,3616.4 3088.02,3623.06 2918.22,3623.06 2909,3632.28 2909,3691 v1(3121,3903) ; C22.3@3527.37,4817 3527.37,4722.63 v1(3575,4675) ; C22.3@3529.17,4815.2 C24.2@3623.43,4815.2